# KiCad board rabbit_mask_video_edit.kicad_pcb (continued)
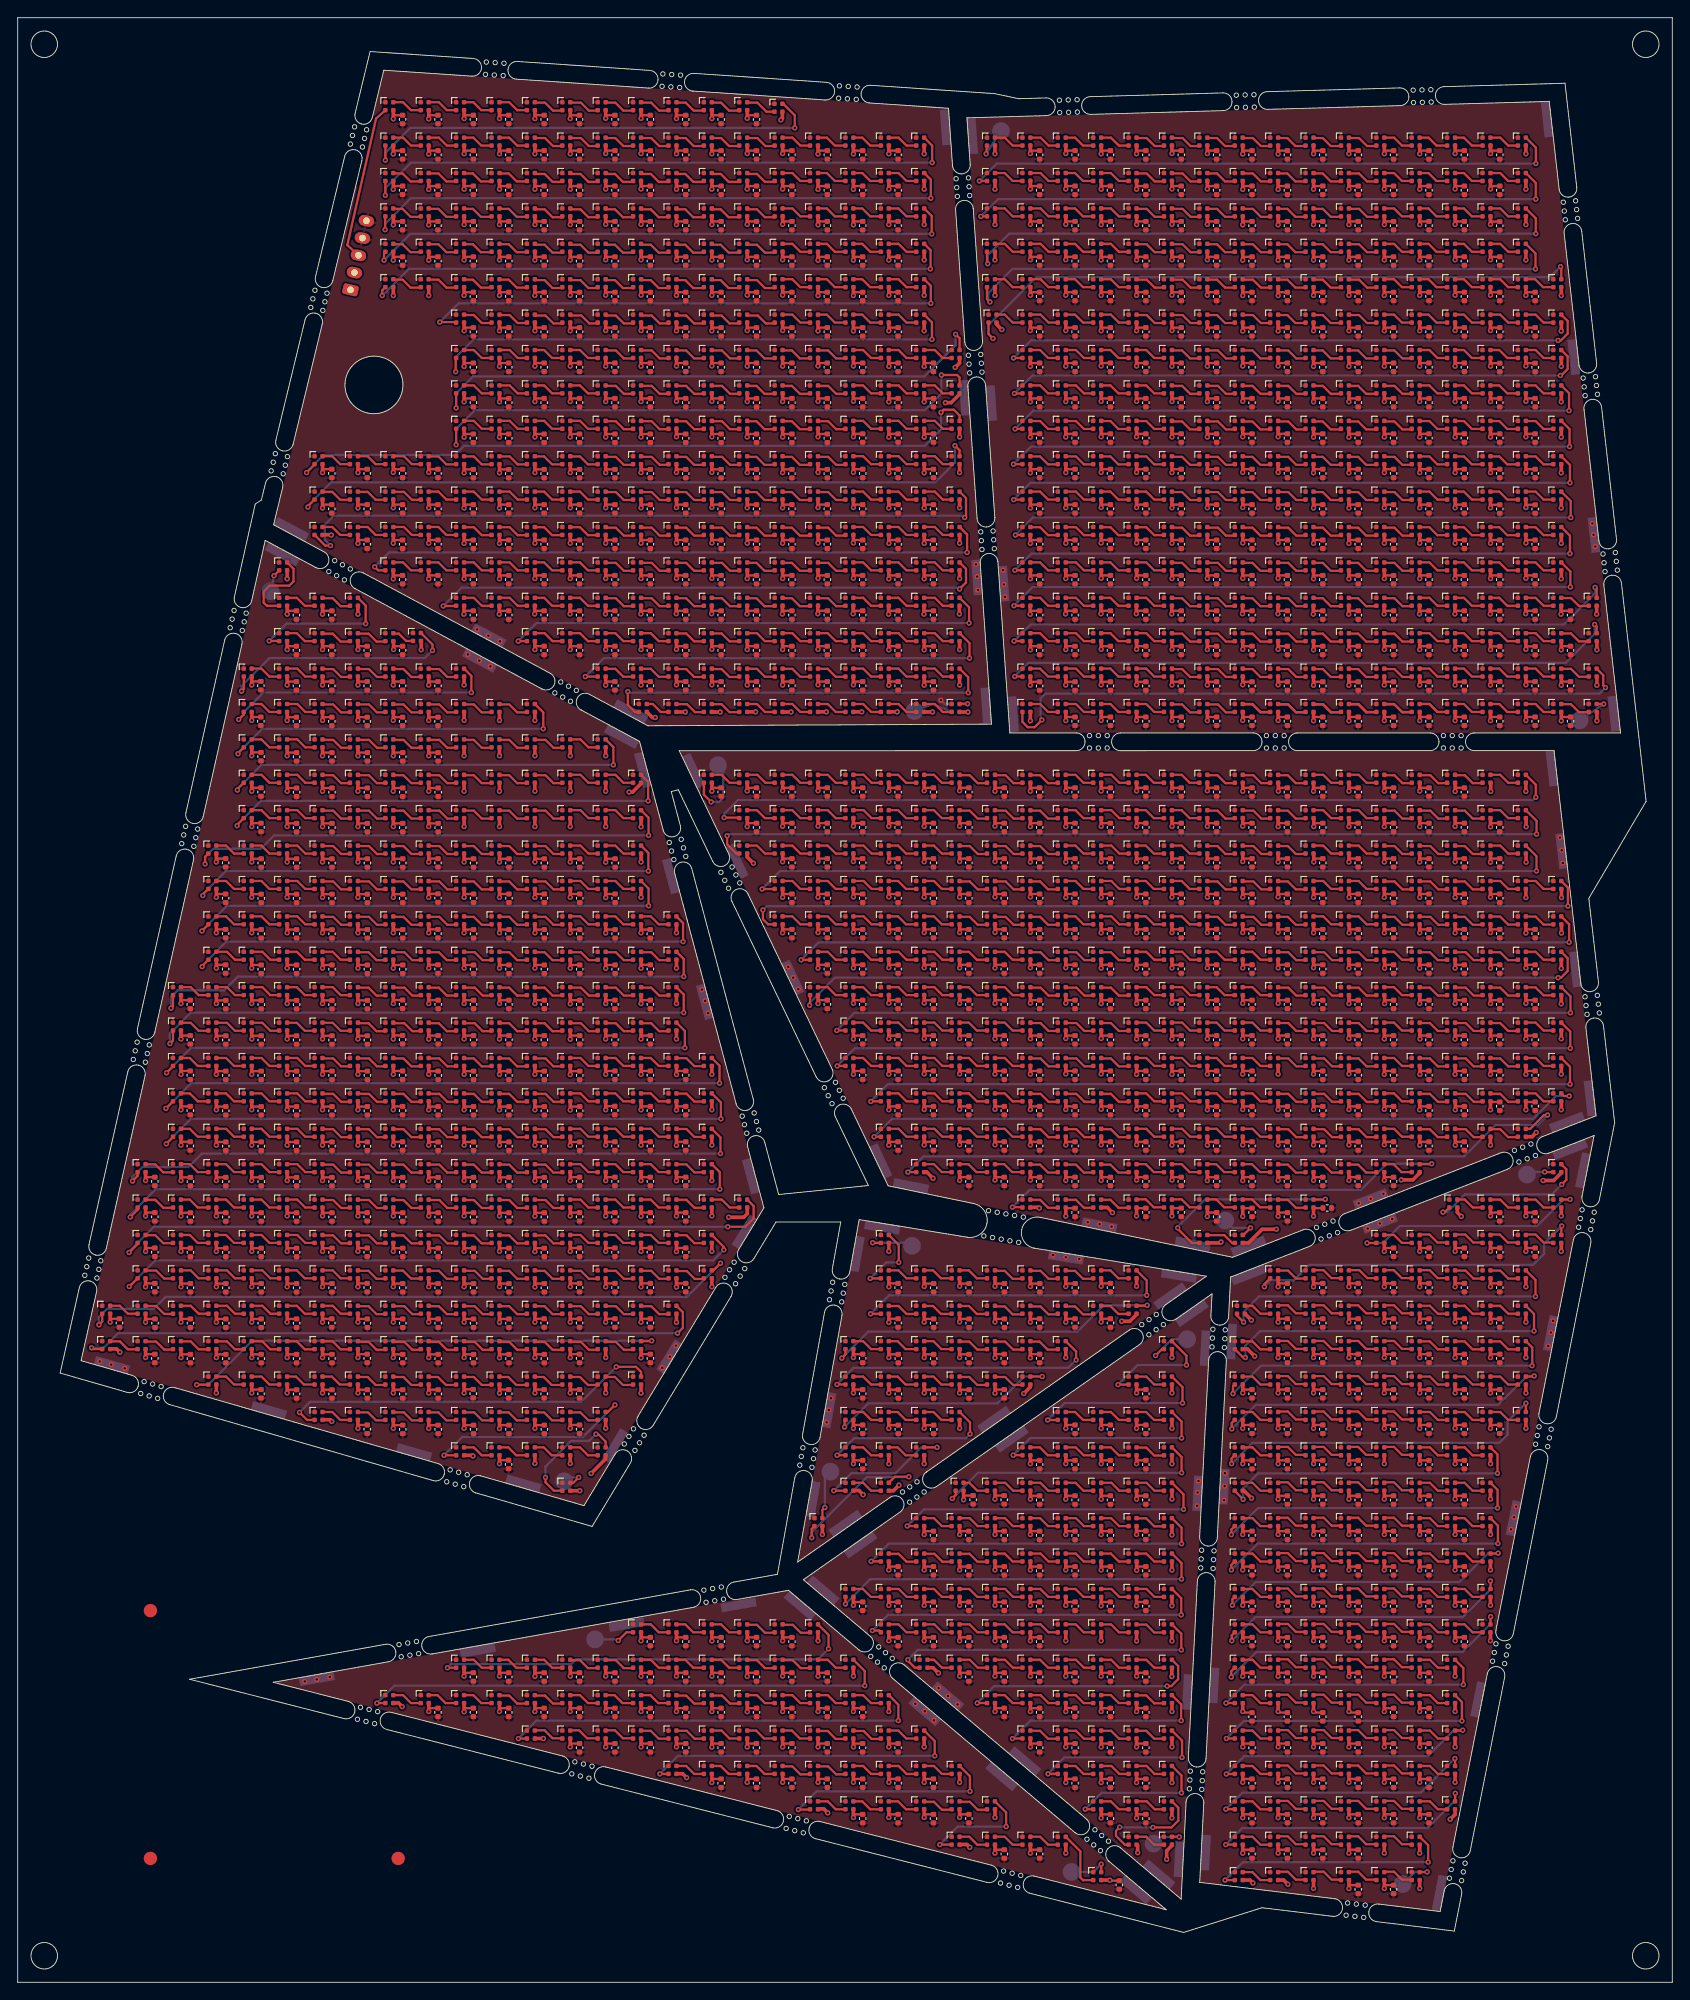
[diagram p0: board, top side]
## Nets (continued)
GND: C1485.2 C1485#2.2 C1485#3.2 C1485#4.2 C1485#5.2 C1485#6.2 C1485#7.2 C1485#8.2 C1485#9.2 C1485#10.2 C1485#11.2 C1485#12.2 C1485#13.2 C1485#14.2 C1485#15.2 C1485#16.2 C1485#17.2 C1485#18.2 C1485#19.2 C1485#20.2 C1485#21.2 C1485#22.2 C1485#23.2 C1485#24.2 C1485#25.2 C1485#26.2 C1485#27.2 C1485#28.2 C1485#29.2 C1485#30.2 C1485#31.2 C1485#32.2 C1485#33.2 C1485#34.2 C1485#35.2 C1485#36.2 C1485#37.2 C1485#38.2 C1485#39.2 C1485#40.2 C1485#41.2 C1485#42.2 C1485#43.2 C1485#44.2 C1485#45.2 C1485#46.2 C1485#47.2 C1485#48.2 C1485#49.2 C1485#50.2 C1485#51.2 C1485#52.2 C1485#53.2 C1485#54.2 C1485#55.2 C1485#56.2 C1485#57.2 C1485#58.2 C1485#59.2 C1485#60.2 C1485#61.2 C1485#62.2 C1485#63.2 C1485#64.2 C1485#65.2 C1485#66.2 C1485#67.2 C1485#68.2 C1485#69.2 C1485#70.2 C1485#71.2 C1485#72.2 C1485#73.2 C1485#74.2 C1485#75.2 C1485#76.2 C1485#77.2 C1485#78.2 C1485#79.2 C1485#80.2 C1485#81.2 C1485#82.2 C1485#83.2 C1485#84.2 C1485#85.2 C1485#86.2 C1485#87.2 C1485#88.2 C1485#89.2 C1485#90.2 C1485#91.2 C1485#92.2 C1485#93.2 C1485#94.2 C1485#95.2 C1485#96.2 C1485#97.2 C1485#98.2 C1485#99.2 C1485#100.2 C1485#101.2 C1485#102.2 C1485#103.2 C1485#104.2 C1485#105.2 C1485#106.2 C1485#107.2 C1485#108.2 C1485#109.2 C1485#110.2 C1485#111.2 C1485#112.2 C1485#113.2 C1485#114.2 C1485#115.2 C1485#116.2 C1485#117.2 C1485#118.2 C1485#119.2 C1485#120.2 C1485#121.2 C1485#122.2 C1485#123.2 C1485#124.2 C1485#125.2 C1485#126.2 C1485#127.2 C1485#128.2 C1485#129.2 C1485#130.2 C1485#131.2 C1485#132.2 C1485#133.2 C1485#134.2 C1485#135.2 C1485#136.2 C1485#137.2 C1485#138.2 C1485#139.2 C1485#140.2 C1485#141.2 C1485#142.2 C1485#143.2 C1485#144.2 C1485#145.2 C1485#146.2 C1485#147.2 C1485#148.2 C1485#149.2 C1485#150.2 C1485#151.2 C1485#152.2 C1485#153.2 C1485#154.2 C1485#155.2 C1485#156.2 C1485#157.2 C1485#158.2 C1485#159.2 C1485#160.2 C1485#161.2 C1485#162.2 C1485#163.2 C1485#164.2 C1485#165.2 C1485#166.2 C1485#167.2 C1485#168.2 C1485#169.2 C1485#170.2 C1485#171.2 C1485#172.2 C1485#173.2 C1485#174.2 C1485#175.2 C1485#176.2 C1485#177.2 C1485#178.2 C1485#179.2 C1485#180.2 C1485#181.2 C1485#182.2 C1485#183.2 C1485#184.2 C1485#185.2 C1485#186.2 C1485#187.2 C1485#188.2 C1485#189.2 C1485#190.2 C1485#191.2 C1485#192.2 C1485#193.2 C1485#194.2 C1485#195.2 C1485#196.2 C1485#197.2 C1485#198.2 C1485#199.2 C1485#200.2 C1485#201.2 C1485#202.2 C1485#203.2 C1485#204.2 C1485#205.2 C1485#206.2 C1485#207.2 C1485#208.2 C1485#209.2 C1485#210.2 C1485#211.2 C1485#212.2 C1485#213.2 C1485#214.2 C1485#215.2 C1485#216.2 C1485#217.2 C1485#218.2 C1485#219.2 C1485#220.2 C1485#221.2 C1485#222.2 C1485#223.2 C1485#224.2 C1485#225.2 C1485#226.2 C1485#227.2 C1485#228.2 C1485#229.2 C1485#230.2 C1485#231.2 C1485#232.2 C1485#233.2 C1485#234.2 C1485#235.2 C1485#236.2 C1485#237.2 C1485#238.2 C1485#239.2 C1485#240.2 C1485#241.2 C1485#242.2 C1485#243.2 C1485#244.2 C1485#245.2 C1485#246.2 C1485#247.2 C1485#248.2 C1485#249.2 C1485#250.2 C1485#251.2 C1485#252.2 C1485#253.2 C1485#254.2 C1485#255.2 C1485#256.2 C1485#257.2 C1485#258.2 C1485#259.2 C1485#260.2 C1485#261.2 C1485#262.2 C1485#263.2 C1485#264.2 C1485#265.2 C1485#266.2 C1485#267.2 C1485#268.2 C1485#269.2 C1485#270.2 C1485#271.2 C1485#272.2 C1485#273.2 C1485#274.2 C1485#275.2 C1485#276.2 C1485#277.2 C1485#278.2 C1485#279.2 C1485#280.2 C1485#281.2 C1485#282.2 C1485#283.2 C1485#284.2 C1485#285.2 C1485#286.2 C1485#287.2 C1485#288.2 C1485#289.2 C1485#290.2 C1485#291.2 C1485#292.2 C1485#293.2 C1485#294.2 C1485#295.2 C1485#296.2 C1485#297.2 C1485#298.2 C1485#299.2 C1485#300.2 C1485#301.2 C1485#302.2 C1485#303.2 C1485#304.2 C1485#305.2 C1485#306.2 C1485#307.2 C1485#308.2 C1485#309.2 C1485#310.2 C1485#311.2 C1485#312.2 C1485#313.2 C1485#314.2 C1485#315.2 C1485#316.2 C1485#317.2 C1485#318.2 C1485#319.2 C1485#320.2 C1485#321.2 C1485#322.2 C1485#323.2 C1485#324.2 C1485#325.2 C1485#326.2 C1485#327.2 C1485#328.2 C1485#329.2 C1485#330.2 C1485#331.2 C1485#332.2 C1485#333.2 C1485#334.2 C1485#335.2 C1485#336.2 C1485#337.2 C1485#338.2 C1485#339.2 C1485#340.2 C1485#341.2 C1485#342.2 C1485#343.2 C1485#344.2 C1485#345.2 C1485#346.2 C1485#347.2 C1485#348.2 C1485#349.2 C1485#350.2 C1485#351.2 C1485#352.2 C1485#353.2 C1485#354.2 C1485#355.2 C1485#356.2 C1485#357.2 C1485#358.2 C1485#359.2 C1485#360.2 C1485#361.2 C1485#362.2 C1485#363.2 C1485#364.2 C1485#365.2 C1485#366.2 C1485#367.2 C1485#368.2 C1485#369.2 C1485#370.2 C1485#371.2 C1485#372.2 C1485#373.2 C1485#374.2 C1485#375.2 C1485#376.2 C1485#377.2 C1485#378.2 C1485#379.2 C1485#380.2 C1485#381.2 C1485#382.2 C1485#383.2 C1485#384.2 C1485#385.2 C1485#386.2 C1485#387.2 C1485#388.2 C1485#389.2 C1485#390.2 C1485#391.2 C1485#392.2 C1485#393.2 C1485#394.2 C1485#395.2 C1485#396.2 C1485#397.2 C1485#398.2 C1485#399.2 C1485#400.2 C1485#401.2 C1485#402.2 C1485#403.2 C1485#404.2 C1485#405.2 C1485#406.2 C1485#407.2 C1485#408.2 C1485#409.2 C1485#410.2 C1485#411.2 C1485#412.2 C1485#413.2 C1485#414.2 C1485#415.2 C1485#416.2 C1485#417.2 C1485#418.2 C1485#419.2 C1485#420.2 C1485#421.2 C1485#422.2 C1485#423.2 C1485#424.2 C1485#425.2 C1485#426.2 C1485#427.2 C1485#428.2 C1485#429.2 C1485#430.2 C1485#431.2 C1485#432.2 C1485#433.2 C1485#434.2 C1485#435.2 C1485#436.2 C1485#437.2 C1485#438.2 C1485#439.2 C1485#440.2 C1485#441.2 C1485#442.2 C1485#443.2 C1485#444.2 C1485#445.2 C1485#446.2 C1485#447.2 C1485#448.2 C1485#449.2 C1485#450.2 C1485#451.2 C1485#452.2 C1485#453.2 C1485#454.2 C1485#455.2 C1485#456.2 C1485#457.2 C1485#458.2 C1485#459.2 C1485#460.2 C1485#461.2 C1485#462.2 C1485#463.2 C1485#464.2 C1485#465.2 C1485#466.2 C1485#467.2 C1485#468.2 C1485#469.2 C1485#470.2 C1485#471.2 C1485#472.2 C1485#473.2 C1485#474.2 C1485#475.2 C1485#476.2 C1485#477.2 C1485#478.2 C1485#479.2 C1485#480.2 C1485#481.2 C1485#482.2 C1485#483.2 C1485#484.2 C1485#485.2 C1485#486.2 C1485#487.2 C1485#488.2 C1485#489.2 C1485#490.2 C1485#491.2 C1485#492.2 C1485#493.2 C1485#494.2 C1485#495.2 C1485#496.2 C1485#497.2 C1485#498.2 C1485#499.2 C1485#500.2 C1485#501.2 C1485#502.2 C1485#503.2 C1485#504.2 C1485#505.2 C1485#506.2 C1485#507.2 C1485#508.2 C1485#509.2 C1485#510.2 C1485#511.2 C1485#512.2 C1485#513.2 C1485#514.2 C1485#515.2 C1485#516.2 C1485#517.2 C1485#518.2 C1485#519.2 C1485#520.2 C1485#521.2 C1485#522.2 C1485#523.2 C1485#524.2 C1485#525.2 C1485#526.2 C1485#527.2 C1485#528.2 C1485#529.2 C1485#530.2 C1485#531.2 C1485#532.2 C1485#533.2 C1485#534.2 C1485#535.2 C1485#536.2 C1485#537.2 C1485#538.2 C1485#539.2 C1485#540.2 C1485#541.2 C1485#542.2 C1485#543.2 C1485#544.2 C1485#545.2 C1485#546.2 C1485#547.2 C1485#548.2 C1485#549.2 C1485#550.2 C1485#551.2 C1485#552.2 C1485#553.2 C1485#554.2 C1485#555.2 C1485#556.2 C1485#557.2 C1485#558.2 C1485#559.2 C1485#560.2 C1485#561.2 C1485#562.2 C1485#563.2 C1485#564.2 C1485#565.2 C1485#566.2 C1485#567.2 C1485#568.2 C1485#569.2 C1485#570.2 C1485#571.2 C1485#572.2 C1485#573.2 C1485#574.2 C1485#575.2 C1485#576.2 C1485#577.2 C1485#578.2 C1485#579.2 C1485#580.2 C1485#581.2 C1485#582.2 C1485#583.2 C1485#584.2 C1485#585.2 C1485#586.2 C1485#587.2 C1485#588.2 C1485#589.2 C1485#590.2 C1485#591.2 C1485#592.2 C1485#593.2 C1485#594.2 C1485#595.2 C1485#596.2 C1485#597.2 C1485#598.2 C1485#599.2 C1485#600.2 C1485#601.2 C1485#602.2 C1485#603.2 C1485#604.2 C1485#605.2 C1485#606.2 C1485#607.2 C1485#608.2 C1485#609.2 C1485#610.2 C1485#611.2 C1485#612.2 C1485#613.2 C1485#614.2 C1485#615.2 C1485#616.2 C1485#617.2 C1485#618.2 C1485#619.2 C1485#620.2 C1485#621.2 C1485#622.2 C1485#623.2 C1485#624.2 C1485#625.2 C1485#626.2 C1485#627.2 C1485#628.2 C1485#629.2 C1485#630.2 C1485#631.2 C1485#632.2 C1485#633.2 C1485#634.2 C1485#635.2 C1485#636.2 C1485#637.2 C1485#638.2 C1485#639.2 C1485#640.2 C1485#641.2 C1485#642.2 C1485#643.2 C1485#644.2 C1485#645.2 C1485#646.2 C1485#647.2 C1485#648.2 C1485#649.2 C1485#650.2 C1485#651.2 C1485#652.2 C1485#653.2 C1485#654.2 C1485#655.2 C1485#656.2 C1485#657.2 C1485#658.2 C1485#659.2 C1485#660.2 C1485#661.2 C1485#662.2 C1485#663.2 C1485#664.2 C1485#665.2 C1485#666.2 C1485#667.2 C1485#668.2 C1485#669.2 C1485#670.2 C1485#671.2 C1485#672.2 C1485#673.2 C1485#674.2 C1485#675.2 C1485#676.2 C1485#677.2 C1485#678.2 C1485#679.2 C1485#680.2 C1485#681.2 C1485#682.2 C1485#683.2 C1485#684.2 C1485#685.2 C1485#686.2 C1485#687.2 C1485#688.2 C1485#689.2 C1485#690.2 C1485#691.2 C1485#692.2 C1485#693.2 C1485#694.2 C1485#695.2 C1485#696.2 C1485#697.2 C1485#698.2 C1485#699.2 C1485#700.2 C1485#701.2 C1485#702.2 C1485#703.2 C1485#704.2 C1485#705.2 C1485#706.2 C1485#707.2 C1485#708.2 C1485#709.2 C1485#710.2 C1485#711.2 C1485#712.2 C1485#713.2 C1485#714.2 C1485#715.2 C1485#716.2 C1485#717.2 C1485#718.2 C1485#719.2 C1485#720.2 C1485#721.2 C1485#722.2 C1485#723.2 C1485#724.2 C1485#725.2 C1485#726.2 C1485#727.2 C1485#728.2 C1485#729.2 C1485#730.2 C1485#731.2 C1485#732.2 C1485#733.2 C1485#734.2 C1485#735.2 C1485#736.2 C1485#737.2 C1485#738.2 C1485#739.2 C1485#740.2 C1485#741.2 C1485#742.2 C1485#743.2 C1485#744.2 C1485#745.2 C1485#746.2 C1485#747.2 C1485#748.2 C1485#749.2 C1485#750.2 C1485#751.2 C1485#752.2 C1485#753.2 C1485#754.2 C1485#755.2 C1485#756.2 C1485#757.2 C1485#758.2 C1485#759.2 C1485#760.2 C1485#761.2 C1485#762.2 C1485#763.2 C1485#764.2 C1485#765.2 C1485#766.2 C1485#767.2 C1485#768.2 C1485#769.2 C1485#770.2 C1485#771.2 C1485#772.2 C1485#773.2 C1485#774.2 C1485#775.2 C1485#776.2 C1485#777.2 C1485#778.2 C1485#779.2 C1485#780.2 C1485#781.2 C1485#782.2 C1485#783.2 C1485#784.2 C1485#785.2 C1485#786.2 C1485#787.2 C1485#788.2 C1485#789.2 C1485#790.2 C1485#791.2 C1485#792.2 C1485#793.2 C1485#794.2 C1485#795.2 C1485#796.2 C1485#797.2 C1485#798.2 C1485#799.2 C1485#800.2 C1485#801.2 C1485#802.2 C1485#803.2 C1485#804.2 C1485#805.2 C1485#806.2 C1485#807.2 C1485#808.2 C1485#809.2 C1485#810.2 C1485#811.2 C1485#812.2 C1485#813.2 C1485#814.2 C1485#815.2 C1485#816.2 C1485#817.2 C1485#818.2 C1485#819.2 C1485#820.2 C1485#821.2 C1485#822.2 C1485#823.2 C1485#824.2 C1485#825.2 C1485#826.2 C1485#827.2 C1485#828.2 C1485#829.2 C1485#830.2 C1485#831.2 C1485#832.2 C1485#833.2 C1485#834.2 C1485#835.2 C1485#836.2 C1485#837.2 C1485#838.2 C1485#839.2 C1485#840.2 C1485#841.2 C1485#842.2 C1485#843.2 C1485#844.2 C1485#845.2 C1485#846.2 C1485#847.2 C1485#848.2 C1485#849.2 C1485#850.2 C1485#851.2 C1485#852.2 C1485#853.2 C1485#854.2 C1485#855.2 C1485#856.2 C1485#857.2 C1485#858.2 C1485#859.2 C1485#860.2 C1485#861.2 C1485#862.2 C1485#863.2 C1485#864.2 C1485#865.2 C1485#866.2 C1485#867.2 C1485#868.2 C1485#869.2 C1485#870.2 C1485#871.2 C1485#872.2 C1485#873.2 C1485#874.2 C1485#875.2 C1485#876.2 C1485#877.2 C1485#878.2 C1485#879.2 C1485#880.2 C1485#881.2 C1485#882.2 C1485#883.2 C1485#884.2 C1485#885.2 C1485#886.2 C1485#887.2 C1485#888.2 C1485#889.2 C1485#890.2 C1485#891.2 C1485#892.2 C1485#893.2 C1485#894.2 C1485#895.2 C1485#896.2 C1485#897.2 C1485#898.2 C1485#899.2 C1485#900.2 C1485#901.2 C1485#902.2 C1485#903.2 C1485#904.2 C1485#905.2 C1485#906.2 C1485#907.2 C1485#908.2 C1485#909.2 C1485#910.2 C1485#911.2 C1485#912.2 C1485#913.2 C1485#914.2 C1485#915.2 C1485#916.2 C1485#917.2 C1485#918.2 C1485#919.2 C1485#920.2 C1485#921.2 C1485#922.2 C1485#923.2 C1485#924.2 C1485#925.2 C1485#926.2 C1485#927.2 C1485#928.2 C1485#929.2 C1485#930.2 C1485#931.2 C1485#932.2 C1485#933.2 C1485#934.2 C1485#935.2 C1485#936.2 C1485#937.2 C1485#938.2 C1485#939.2 C1485#940.2 C1485#941.2 C1485#942.2 C1485#943.2 C1485#944.2 C1485#945.2 C1485#946.2 C1485#947.2 C1485#948.2 C1485#949.2 C1485#950.2 C1485#951.2 C1485#952.2 C1485#953.2 C1485#954.2 C1485#955.2 C1485#956.2 C1485#957.2 C1485#958.2 C1485#959.2 C1485#960.2 C1485#961.2 C1485#962.2 C1485#963.2 C1485#964.2 C1485#965.2 C1485#966.2 C1485#967.2 C1485#968.2 C1485#969.2 C1485#970.2 C1485#971.2 C1485#972.2 C1485#973.2 C1485#974.2 C1485#975.2 C1485#976.2 C1485#977.2 C1485#978.2 C1485#979.2 C1485#980.2 C1485#981.2 C1485#982.2 C1485#983.2 C1485#984.2 C1485#985.2 C1485#986.2 C1485#987.2 C1485#988.2 C1485#989.2 C1485#990.2 C1485#991.2 C1485#992.2 C1485#993.2 C1485#994.2 C1485#995.2 C1485#996.2 C1485#997.2 C1485#998.2 C1485#999.2 C1485#1000.2 C1485#1001.2 C1485#1002.2 C1485#1003.2 C1485#1004.2 C1485#1005.2 C1485#1006.2 C1485#1007.2 C1485#1008.2 C1485#1009.2 C1485#1010.2 C1485#1011.2 C1485#1012.2 C1485#1013.2 C1485#1014.2 C1485#1015.2 C1485#1016.2 C1485#1017.2 C1485#1018.2 C1485#1019.2 C1485#1020.2 C1485#1021.2 C1485#1022.2 C1485#1023.2 C1485#1024.2 C1485#1025.2 C1485#1026.2 C1485#1027.2 C1485#1028.2 C1485#1029.2 C1485#1030.2 C1485#1031.2 C1485#1032.2 C1485#1033.2 C1485#1034.2 C1485#1035.2 C1485#1036.2 C1485#1037.2 C1485#1038.2 C1485#1039.2 C1485#1040.2 C1485#1041.2 C1485#1042.2 C1485#1043.2 C1485#1044.2 C1485#1045.2 C1485#1046.2 C1485#1047.2 C1485#1048.2 C1485#1049.2 C1485#1050.2 C1485#1051.2 C1485#1052.2 C1485#1053.2 C1485#1054.2 C1485#1055.2 C1485#1056.2 C1485#1057.2 C1485#1058.2 C1485#1059.2 C1485#1060.2 C1485#1061.2 C1485#1062.2 C1485#1063.2 C1485#1064.2 C1485#1065.2 C1485#1066.2 C1485#1067.2 C1485#1068.2 C1485#1069.2 C1485#1070.2 C1485#1071.2 C1485#1072.2 C1485#1073.2 C1485#1074.2 C1485#1075.2 C1485#1076.2 C1485#1077.2 C1485#1078.2 C1485#1079.2 C1485#1080.2 C1485#1081.2 C1485#1082.2 C1485#1083.2 C1485#1084.2 C1485#1085.2 C1485#1086.2 C1485#1087.2 C1485#1088.2 C1485#1089.2 C1485#1090.2 C1485#1091.2 C1485#1092.2 C1485#1093.2 C1485#1094.2 C1485#1095.2 C1485#1096.2 C1485#1097.2 C1485#1098.2 C1485#1099.2 C1485#1100.2 C1485#1101.2 C1485#1102.2 C1485#1103.2 C1485#1104.2 C1485#1105.2 C1485#1106.2 C1485#1107.2 C1485#1108.2 C1485#1109.2 C1485#1110.2 C1485#1111.2 C1485#1112.2 C1485#1113.2 C1485#1114.2 C1485#1115.2 C1485#1116.2 C1485#1117.2 C1485#1118.2 C1485#1119.2 C1485#1120.2 C1485#1121.2 C1485#1122.2 C1485#1123.2 C1485#1124.2 C1485#1125.2 C1485#1126.2 C1485#1127.2 C1485#1128.2 C1485#1129.2 C1485#1130.2 C1485#1131.2 C1485#1132.2 C1485#1133.2 C1485#1134.2 C1485#1135.2 C1485#1136.2 C1485#1137.2 C1485#1138.2 C1485#1139.2 C1485#1140.2 C1485#1141.2 C1485#1142.2 C1485#1143.2 C1485#1144.2 C1485#1145.2 C1485#1146.2 C1485#1147.2 C1485#1148.2 C1485#1149.2 C1485#1150.2 C1485#1151.2 C1485#1152.2 C1485#1153.2 C1485#1154.2 C1485#1155.2 C1485#1156.2 C1485#1157.2 C1485#1158.2 C1485#1159.2 C1485#1160.2 C1485#1161.2 C1485#1162.2 C1485#1163.2 C1485#1164.2 C1485#1165.2 C1485#1166.2 C1485#1167.2 C1485#1168.2 C1485#1169.2 C1485#1170.2 C1485#1171.2 C1485#1172.2 C1485#1173.2 C1485#1174.2 C1485#1175.2 C1485#1176.2 C1485#1177.2 C1485#1178.2 C1485#1179.2 C1485#1180.2 C1485#1181.2 C1485#1182.2 C1485#1183.2 C1485#1184.2 C1485#1185.2 C1485#1186.2 C1485#1187.2 C1485#1188.2 C1485#1189.2 C1485#1190.2 C1485#1191.2 C1485#1192.2 C1485#1193.2 C1485#1194.2 C1485#1195.2 C1485#1196.2 C1485#1197.2 C1485#1198.2 C1485#1199.2 C1485#1200.2 C1485#1201.2 C1485#1202.2 C1485#1203.2 C1485#1204.2 C1485#1205.2 C1485#1206.2 C1485#1207.2 C1485#1208.2 C1485#1209.2 C1485#1210.2 C1485#1211.2 C1485#1212.2 C1485#1213.2 C1485#1214.2 C1485#1215.2 C1485#1216.2 C1485#1217.2 C1485#1218.2 C1485#1219.2 C1485#1220.2 C1485#1221.2 C1485#1222.2 C1485#1223.2 C1485#1224.2 C1485#1225.2 C1485#1226.2 C1485#1227.2 C1485#1228.2 C1485#1229.2 C1485#1230.2 C1485#1231.2 C1485#1232.2 C1485#1233.2 C1485#1234.2 C1485#1235.2 C1485#1236.2 C1485#1237.2 C1485#1238.2 C1485#1239.2 C1485#1240.2 C1485#1241.2 C1485#1242.2 C1485#1243.2 C1485#1244.2 C1485#1245.2 C1485#1246.2 C1485#1247.2 C1485#1248.2 C1485#1249.2 C1485#1250.2 C1485#1251.2 C1485#1252.2 C1485#1253.2 C1485#1254.2 C1485#1255.2 C1485#1256.2 C1485#1257.2 C1485#1258.2 C1485#1259.2 C1485#1260.2 C1485#1261.2 C1485#1262.2 C1485#1263.2 C1485#1264.2 C1485#1265.2 C1485#1266.2 C1485#1267.2 C1485#1268.2 C1485#1269.2 C1485#1270.2 C1485#1271.2 C1485#1272.2 C1485#1273.2 C1485#1274.2 C1485#1275.2 C1485#1276.2 C1485#1277.2 C1485#1278.2 C1485#1279.2 D1.4 D2.4 D3.4 D4.4 D5.4 D6.4 D7.4 D8.4 D9.4 D10.4 D11.4 D12.4 D13.4 D14.4 D15.4 D16.4 D17.4 D18.4 D19.4 D20.4 D21.4 D22.4 D23.4 D24.4 D25.4 D26.4 D27.4 D28.4 D29.4 D30.4 D31.4 D32.4 D33.4 D34.4 D35.4 D36.4 D37.4 D38.4 D39.4 D40.4 D41.4 D42.4 D43.4 D44.4 D45.4 D46.4 D47.4 D48.4 D49.4 D50.4 D51.4 D52.4 D53.4 D54.4 D55.4 D56.4 D57.4 D58.4 D59.4 D60.4 D61.4 D62.4 D63.4 D64.4 D65.4 D66.4 D67.4 D68.4 D69.4 D70.4 D71.4 D72.4 D73.4 D74.4 D75.4 D76.4 D77.4 D78.4 D79.4 D80.4 D81.4 D82.4 D83.4 D84.4 D85.4 D86.4 D87.4 D88.4 D89.4 D90.4 D91.4 D92.4 D93.4 D94.4 D95.4 D96.4 D97.4 D98.4 D99.4 D100.4 D101.4 D102.4 D103.4 D104.4 D105.4 D106.4 D107.4 D108.4 D110.4 D111.4 D112.4 D113.4 D114.4 D115.4 D116.4 D117.4 D118.4 D119.4 D120.4 D121.4 D122.4 D123.4 D124.4 D125.4 D126.4 D127.4 D128.4 D129.4 D130.4 D131.4 D132.4 D133.4 D134.4 D135.4 D136.4 D137.4 D138.4 D139.4 D140.4 D141.4 D143.4 D144.4 D145.4 D146.4 D147.4 D148.4 D149.4 D150.4 D151.4 D152.4 D153.4 D154.4 D155.4 D156.4 D157.4 D158.4 D159.4 D160.4 D161.4 D162.4 D163.4 D164.4 D165.4 D166.4 D167.4 D168.4 D169.4 D170.4 D171.4 D172.4 D173.4 D174.4 D175.4 D179.4 D180.4 D181.4 D182.4 D183.4 D184.4 D185.4 D186.4 D187.4 D188.4 D189.4 D190.4 D191.4 D192.4 D193.4 D194.4 D195.4 D196.4 D197.4 D198.4 D199.4 D200.4 D201.4 D202.4 D203.4 D204.4 D205.4 D206.4 D207.4 D208.4 D209.4 D210.4 D211.4 D212.4 D213.4 D214.4 D215.4 D216.4 D217.4 D218.4 D219.4 D220.4 D221.4 D222.4 D223.4 D224.4 D225.4 D226.4 D227.4 D228.4 D229.4 D230.4 D231.4 D232.4 D233.4 D234.4 D235.4 D236.4 D237.4 D238.4 D239.4 D240.4 D241.4 D242.4 D243.4 D244.4 D245.4 D246.4 D247.4 D248.4 D249.4 D250.4 D251.4 D252.4 D253.4 D254.4 D255.4 D256.4 D257.4 D258.4 D259.4 D260.4 D261.4 D262.4 D263.4 D264.4 D265.4 D266.4 D267.4 D268.4 D269.4 D270.4 D271.4 D272.4 D273.4 D274.4 D275.4 D276.4 D277.4 D278.4 D279.4 D280.4 D281.4 D282.4 D283.4 D284.4 D285.4 D286.4 D287.4 D288.4 D289.4 D290.4 D291.4 D292.4 D293.4 D294.4 D295.4 D296.4 D297.4 D298.4 D299.4 D300.4 D301.4 D302.4 D303.4 D304.4 D305.4 D306.4 D307.4 D308.4 D309.4 D310.4 D311.4 D312.4 D313.4 D314.4 D315.4 D316.4 D317.4 D318.4 D319.4 D320.4 D321.4 D322.4 D323.4 D324.4 D325.4 D326.4 D327.4 D328.4 D329.4 D330.4 D331.4 D332.4 D333.4 D334.4 D335.4 D336.4 D337.4 D338.4 D339.4 D340.4 D341.4 D342.4 D343.4 D344.4 D345.4 D346.4 D347.4 D348.4 D349.4 D350.4 D351.4 D352.4 D353.4 D354.4 D355.4 D356.4 D357.4 D358.4 D359.4 D360.4 D361.4 D362.4 D363.4 D364.4 D365.4 D366.4 D367.4 D368.4 D369.4 D370.4 D371.4 D372.4 D373.4 D374.4 D375.4 D376.4 D377.4 D378.4 D379.4 D380.4 D381.4 D382.4 D383.4 D384.4 D385.4 D386.4 D387.4 D388.4 D389.4 D390.4 D391.4 D392.4 D393.4 D394.4 D395.4 D396.4 D397.4 D398.4 D399.4 D400.4 D401.4 D402.4 D403.4 D404.4 D405.4 D406.4 D407.4 D408.4 D409.4 D410.4 D411.4 D412.4 D413.4 D414.4 D415.4 D416.4 D417.4 D418.4 D419.4 D420.4 D421.4 D422.4 D423.4 D424.4 D425.4 D426.4 D427.4 D428.4 D429.4 D430.4 D431.4 D432.4 D433.4 D434.4 D435.4 D436.4 D437.4 D438.4 D439.4 D440.4 D441.4 D442.4 D443.4 D444.4 D445.4 D446.4 D447.4 D448.4 D449.4 D450.4 D451.4 D452.4 D453.4 D454.4 D455.4 D456.4 D457.4 D458.4 D459.4 D460.4 D461.4 D462.4 D463.4 D464.4 D465.4 D466.4 D467.4 D468.4 D469.4 D470.4 D471.4 D472.4 D473.4 D474.4 D475.4 D476.4 D477.4 D478.4 D479.4 D480.4 D481.4 D482.4 D483.4 D484.4 D485.4 D486.4 D487.4 D488.4 D489.4 D490.4 D491.4 D492.4 D493.4 D494.4 D495.4 D496.4 D497.4 D498.4 D499.4 D500.4 D501.4 D502.4 D503.4 D504.4 D505.4 D506.4 D507.4 D508.4 D509.4 D510.4 D511.4 D512.4 D513.4 D514.4 D515.4 D516.4 D517.4 D518.4 D519.4 D520.4 D521.4 D522.4 D523.4 D524.4 D525.4 D526.4 D527.4 D528.4 D529.4 D530.4 D531.4 D532.4 D533.4 D534.4 D535.4 D536.4 D537.4 D538.4 D539.4 D540.4 D541.4 D542.4 D543.4 D544.4 D545.4 D546.4 D547.4 D548.4 D549.4 D550.4 D551.4 D552.4 D553.4 D554.4 D555.4 D556.4 D557.4 D558.4 D559.4 D560.4 D561.4 D562.4 D563.4 D564.4 D565.4 D566.4 D567.4 D568.4 D569.4 D570.4 D571.4 D572.4 D573.4 D574.4 D575.4 D576.4 D577.4 D578.4 D579.4 D580.4 D581.4 D582.4 D583.4 D584.4 D585.4 D586.4 D587.4 D588.4 D589.4 D590.4 D591.4 D592.4 D593.4 D594.4 D595.4 D596.4 D597.4 D598.4 D599.4 D600.4 D601.4 D602.4 D603.4 D604.4 D605.4 D606.4 D607.4 D608.4 D609.4 D610.4 D611.4 D612.4 D613.4 D614.4 D615.4 D616.4 D617.4 D618.4 D619.4 D620.4 D621.4 D622.4 D623.4 D624.4 D625.4 D626.4 D627.4 D628.4 D629.4 D630.4 D631.4 D632.4 D633.4 D634.4 D635.4 D636.4 D637.4 D638.4 D639.4 D640.4 D641.4 D642.4 D643.4 D644.4 D645.4 D646.4 D647.4 D648.4 D649.4 D650.4 D651.4 D652.4 D653.4 D654.4 D655.4 D656.4 D657.4 D658.4 D659.4 D660.4 D661.4 D662.4 D663.4 D664.4 D665.4 D666.4 D667.4 D668.4 D669.4 D670.4 D671.4 D672.4 D673.4 D674.4 D675.4 D676.4 D677.4 D678.4 D679.4 D680.4 D681.4 D682.4 D683.4 D684.4 D685.4 D686.4 D687.4 D688.4 D689.4 D690.4 D691.4 D692.4 D693.4 D694.4 D695.4 D696.4 D697.4 D698.4 D699.4 D700.4 D701.4 D702.4 D703.4 D704.4 D705.4 D706.4 D707.4 D708.4 D709.4 D710.4 D711.4 D712.4 D713.4 D714.4 D715.4 D716.4 D717.4 D718.4 D719.4 D720.4 D721.4 D722.4 D723.4 D724.4 D725.4 D726.4 D727.4 D728.4 D729.4 D730.4 D731.4 D732.4 D733.4 D734.4 D735.4 D736.4 D737.4 D738.4 D739.4 D740.4 D741.4 D742.4 D743.4 D744.4 D745.4 D746.4 D747.4 D748.4 D749.4 D750.4 D751.4 D752.4 D753.4 D754.4 D755.4 D756.4 D757.4 D758.4 D759.4 D760.4 D761.4 D762.4 D763.4 D764.4 D765.4 D766.4 D767.4 D768.4 D769.4 D770.4 D771.4 D772.4 D773.4 D774.4 D775.4 D776.4 D777.4 D778.4 D779.4 D780.4 D781.4 D782.4 D783.4 D784.4 D785.4 D786.4 D787.4 D788.4 D789.4 D790.4 D791.4 D792.4 D793.4 D794.4 D795.4 D796.4 D797.4 D798.4 D799.4 D800.4 D801.4 D802.4 D803.4 D804.4 D805.4 D806.4 D807.4 D808.4 D809.4 D810.4 D811.4 D812.4 D813.4 D814.4 D815.4 D816.4 D817.4 D818.4 D819.4 D820.4 D821.4 D822.4 D823.4 D824.4 D825.4 D826.4 D827.4 D828.4 D829.4 D830.4 D831.4 D832.4 D833.4 D834.4 D835.4 D836.4 D837.4 D838.4 D839.4 D840.4 D841.4 D842.4 D843.4 D844.4 D845.4 D846.4 D847.4 D848.4 D849.4 D850.4 D851.4 D852.4 D853.4 D854.4 D855.4 D856.4 D857.4 D858.4 D859.4 D860.4 D861.4 D862.4 D863.4 D864.4 D865.4 D866.4 D867.4 D868.4 D869.4 D870.4 D871.4 D872.4 D873.4 D874.4 D875.4 D876.4 D877.4 D878.4 D879.4 D880.4 D881.4 D882.4 D883.4 D884.4 D885.4 D886.4 D887.4 D888.4 D889.4 D890.4 D891.4 D892.4 D893.4 D894.4 D895.4 D896.4 D897.4 D898.4 D899.4 D900.4 D901.4 D902.4 D903.4 D904.4 D905.4 D906.4 D907.4 D908.4 D909.4 D910.4 D911.4 D912.4 D913.4 D914.4 D915.4 D916.4 D917.4 D918.4 D919.4 D920.4 D921.4 D922.4 D923.4 D924.4 D925.4 D926.4 D927.4 D928.4 D929.4 D930.4 D931.4 D932.4 D933.4 D934.4 D935.4 D936.4 D937.4 D938.4 D939.4 D940.4 D941.4 D942.4 D943.4 D944.4 D945.4 D946.4 D947.4 D948.4 D949.4 D950.4 D951.4 D952.4 D953.4 D954.4 D955.4 D956.4 D957.4 D958.4 D959.4 D960.4 D961.4 D962.4 D963.4 D964.4 D965.4 D966.4 D967.4 D968.4 D969.4 D970.4 D971.4 D972.4 D973.4 D974.4 D975.4 D976.4 D977.4 D978.4 D979.4 D980.4 D981.4 D982.4 D983.4 D984.4 D985.4 D986.4 D987.4 D988.4 D989.4 D990.4 D991.4 D992.4 D993.4 D994.4 D995.4 D996.4 D997.4 D998.4 D999.4 D1000.4 D1001.4 D1002.4 D1003.4 D1004.4 D1005.4 D1006.4 D1007.4 D1008.4 D1009.4 D1010.4 D1011.4 D1012.4 D1013.4 D1014.4 D1015.4 D1016.4 D1017.4 D1018.4 D1019.4 D1020.4 D1021.4 D1022.4 D1023.4 D1024.4 D1025.4 D1026.4 D1027.4 D1028.4 D1029.4 D1030.4 D1031.4 D1032.4 D1033.4 D1034.4 D1035.4 D1036.4 D1037.4 D1038.4 D1039.4 D1040.4 D1041.4 D1042.4 D1043.4 D1044.4 D1045.4 D1046.4 D1047.4 D1048.4 D1049.4 D1050.4 D1051.4 D1052.4 D1053.4 D1054.4 D1055.4 D1056.4 D1057.4 D1058.4 D1059.4 D1060.4 D1061.4 D1062.4 D1063.4 D1064.4 D1065.4 D1066.4 D1067.4 D1068.4 D1069.4 D1070.4 D1071.4 D1072.4 D1073.4 D1074.4 D1075.4 D1076.4 D1077.4 D1078.4 D1079.4 D1080.4 D1081.4 D1082.4 D1083.4 D1084.4 D1085.4 D1086.4 D1087.4 D1088.4 D1089.4 D1090.4 D1091.4 D1092.4 D1093.4 D1094.4 D1095.4 D1096.4 D1097.4 D1098.4 D1099.4 D1100.4 D1101.4 D1102.4 D1103.4 D1104.4 D1105.4 D1106.4 D1107.4 D1108.4 D1109.4 D1110.4 D1111.4 D1112.4 D1113.4 D1114.4 D1115.4 D1116.4 D1117.4 D1118.4 D1119.4 D1120.4 D1121.4 D1122.4 D1123.4 D1124.4 D1125.4 D1126.4 D1127.4 D1128.4 D1129.4 D1130.4 D1131.4 D1132.4 D1133.4 D1134.4 D1135.4 D1136.4 D1137.4 D1138.4 D1139.4 D1140.4 D1141.4 D1142.4 D1143.4 D1144.4 D1145.4 D1146.4 D1147.4 D1148.4 D1149.4 D1150.4 D1151.4 D1152.4 D1153.4 D1154.4 D1155.4 D1156.4 D1157.4 D1158.4 D1159.4 D1160.4 D1161.4 D1162.4 D1163.4 D1164.4 D1165.4 D1166.4 D1167.4 D1168.4 D1169.4 D1170.4 D1171.4 D1172.4 D1173.4 D1174.4 D1175.4 D1176.4 D1177.4 D1178.4 D1179.4 D1180.4 D1181.4 D1182.4 D1183.4 D1184.4 D1185.4 D1186.4 D1187.4 D1188.4 D1189.4 D1190.4 D1191.4 D1192.4 D1193.4 D1194.4 D1195.4 D1196.4 D1197.4 D1198.4 D1199.4 D1200.4 D1201.4 D1202.4 D1203.4 D1204.4 D1205.4 D1206.4 D1207.4 D1208.4 D1209.4 D1210.4 D1211.4 D1212.4 D1213.4 D1214.4 D1215.4 D1216.4 D1217.4 D1218.4 D1219.4 D1220.4 D1221.4 D1222.4 D1223.4 D1224.4 D1225.4 D1226.4 D1227.4 D1228.4 D1229.4 D1230.4 D1231.4 D1232.4 D1233.4 D1234.4 D1235.4 D1236.4 D1237.4 D1238.4 D1239.4 D1240.4 D1241.4 D1242.4 D1243.4 D1244.4 D1245.4 D1246.4 D1247.4 D1248.4 D1249.4 D1250.4 D1251.4 D1252.4 D1253.4 D1254.4 D1255.4 D1256.4 D1257.4 D1258.4 D1259.4 D1260.4 D1261.4 D1262.4 D1263.4 D1264.4 D1265.4 D1266.4 D1267.4 D1268.4 D1269.4 D1270.4 D1271.4 D1272.4 D1273.4 D1274.4 D1275.4 D1276.4 D1277.4 D1278.4 D1279.4 D1280.4 D1281.4 D1282.4 D1283.4 D1284.4 D1285.4 D1286.4 D1287.4 D1288.4 D1289.4 D1290.4 D1291.4 D1292.4 D1293.4 D1294.4 D1295.4 D1296.4 D1297.4 D1298.4 D1299.4 D1300.4 D1301.4 D1302.4 D1303.4 D1304.4 D1305.4 D1306.4 D1307.4 D1308.4 D1309.4 D1310.4 D1311.4 D1312.4 D1313.4 D1314.4 D1315.4 D1316.4 D1317.4 D1318.4 D1319.4 D1320.4 D1321.4 D1322.4 D1323.4 D1324.4 D1325.4 D1326.4 D1327.4 D1328.4 D1329.4 D1330.4 D1331.4 D1332.4 D1333.4 D1334.4 D1335.4 D1336.4 D1337.4 D1338.4 D1339.4 D1340.4 D1341.4 D1342.4 D1343.4 D1344.4 D1345.4 D1346.4 D1347.4 D1348.4 D1349.4 D1350.4 D1351.4 D1352.4 D1353.4 D1354.4 D1355.4 D1356.4 D1357.4 D1358.4 D1359.4 D1360.4 D1361.4 D1362.4 D1363.4 D1364.4 D1365.4 D1366.4 D1367.4 D1368.4 D1369.4 D1370.4 D1371.4 D1372.4 D1373.4 D1374.4 D1375.4 D1376.4 D1377.4 D1378.4 D1379.4 D1380.4 D1381.4 D1382.4 D1383.4 D1384.4 D1385.4 D1386.4 D1387.4 D1388.4 D1389.4 D1390.4 D1391.4 D1392.4 D1393.4 D1394.4 D1395.4 D1396.4 D1397.4 D1398.4 D1399.4 D1400.4 D1401.4 D1402.4 D1403.4 D1404.4 D1405.4 D1406.4 D1407.4 D1408.4 D1409.4 D1410.4 D1411.4 D1412.4 D1413.4 D1414.4 D1415.4 D1416.4 D1417.4 D1418.4 D1419.4 D1420.4 D1421.4 D1422.4 D1423.4 D1424.4 D1425.4 D1426.4 D1427.4 D1428.4 D1429.4 D1430.4 D1431.4 D1432.4 D1433.4 D1434.4 D1435.4 D1436.4 D1437.4 D1438.4 D1439.4 D1440.4 D1441.4 D1442.4 D1443.4 D1444.4 D1445.4 D1446.4 D1447.4 D1448.4 D1449.4 D1450.4 D1451.4 D1452.4 D1453.4 D1454.4 D1455.4 D1456.4 D1457.4 D1458.4 D1459.4 D1460.4 D1461.4 D1462.4 D1463.4 D1464.4 D1465.4 D1466.4 D1467.4 D1468.4 D1469.4 D1470.4 D1471.4 D1472.4 D1473.4 D1474.4 D1475.4 D1476.4 D1477.4 D1478.4 D1479.4 D1480.4 D1481.4 D1482.4 D1483.4 D1484.4 D1659.4 J1485.4 J1485.5 J1493.1 J1493#2.1 J1493#3.1 J1493#4.1 J1493#5.1 J1493#6.1 J1493#7.1 J1493#8.1 J1493#9.1 J1493#10.1 J1493#11.1 J1493#12.1 J1493#13.1 J1493#14.1 J1493#15.1 J1493#16.1 J1493#17.1 J1493#18.1 J1493#19.1 J1493#20.1 J1493#21.1 J1493#22.1
